# Allegro board BeagleBone_Green_Wireless_V1.0.brd (continued)
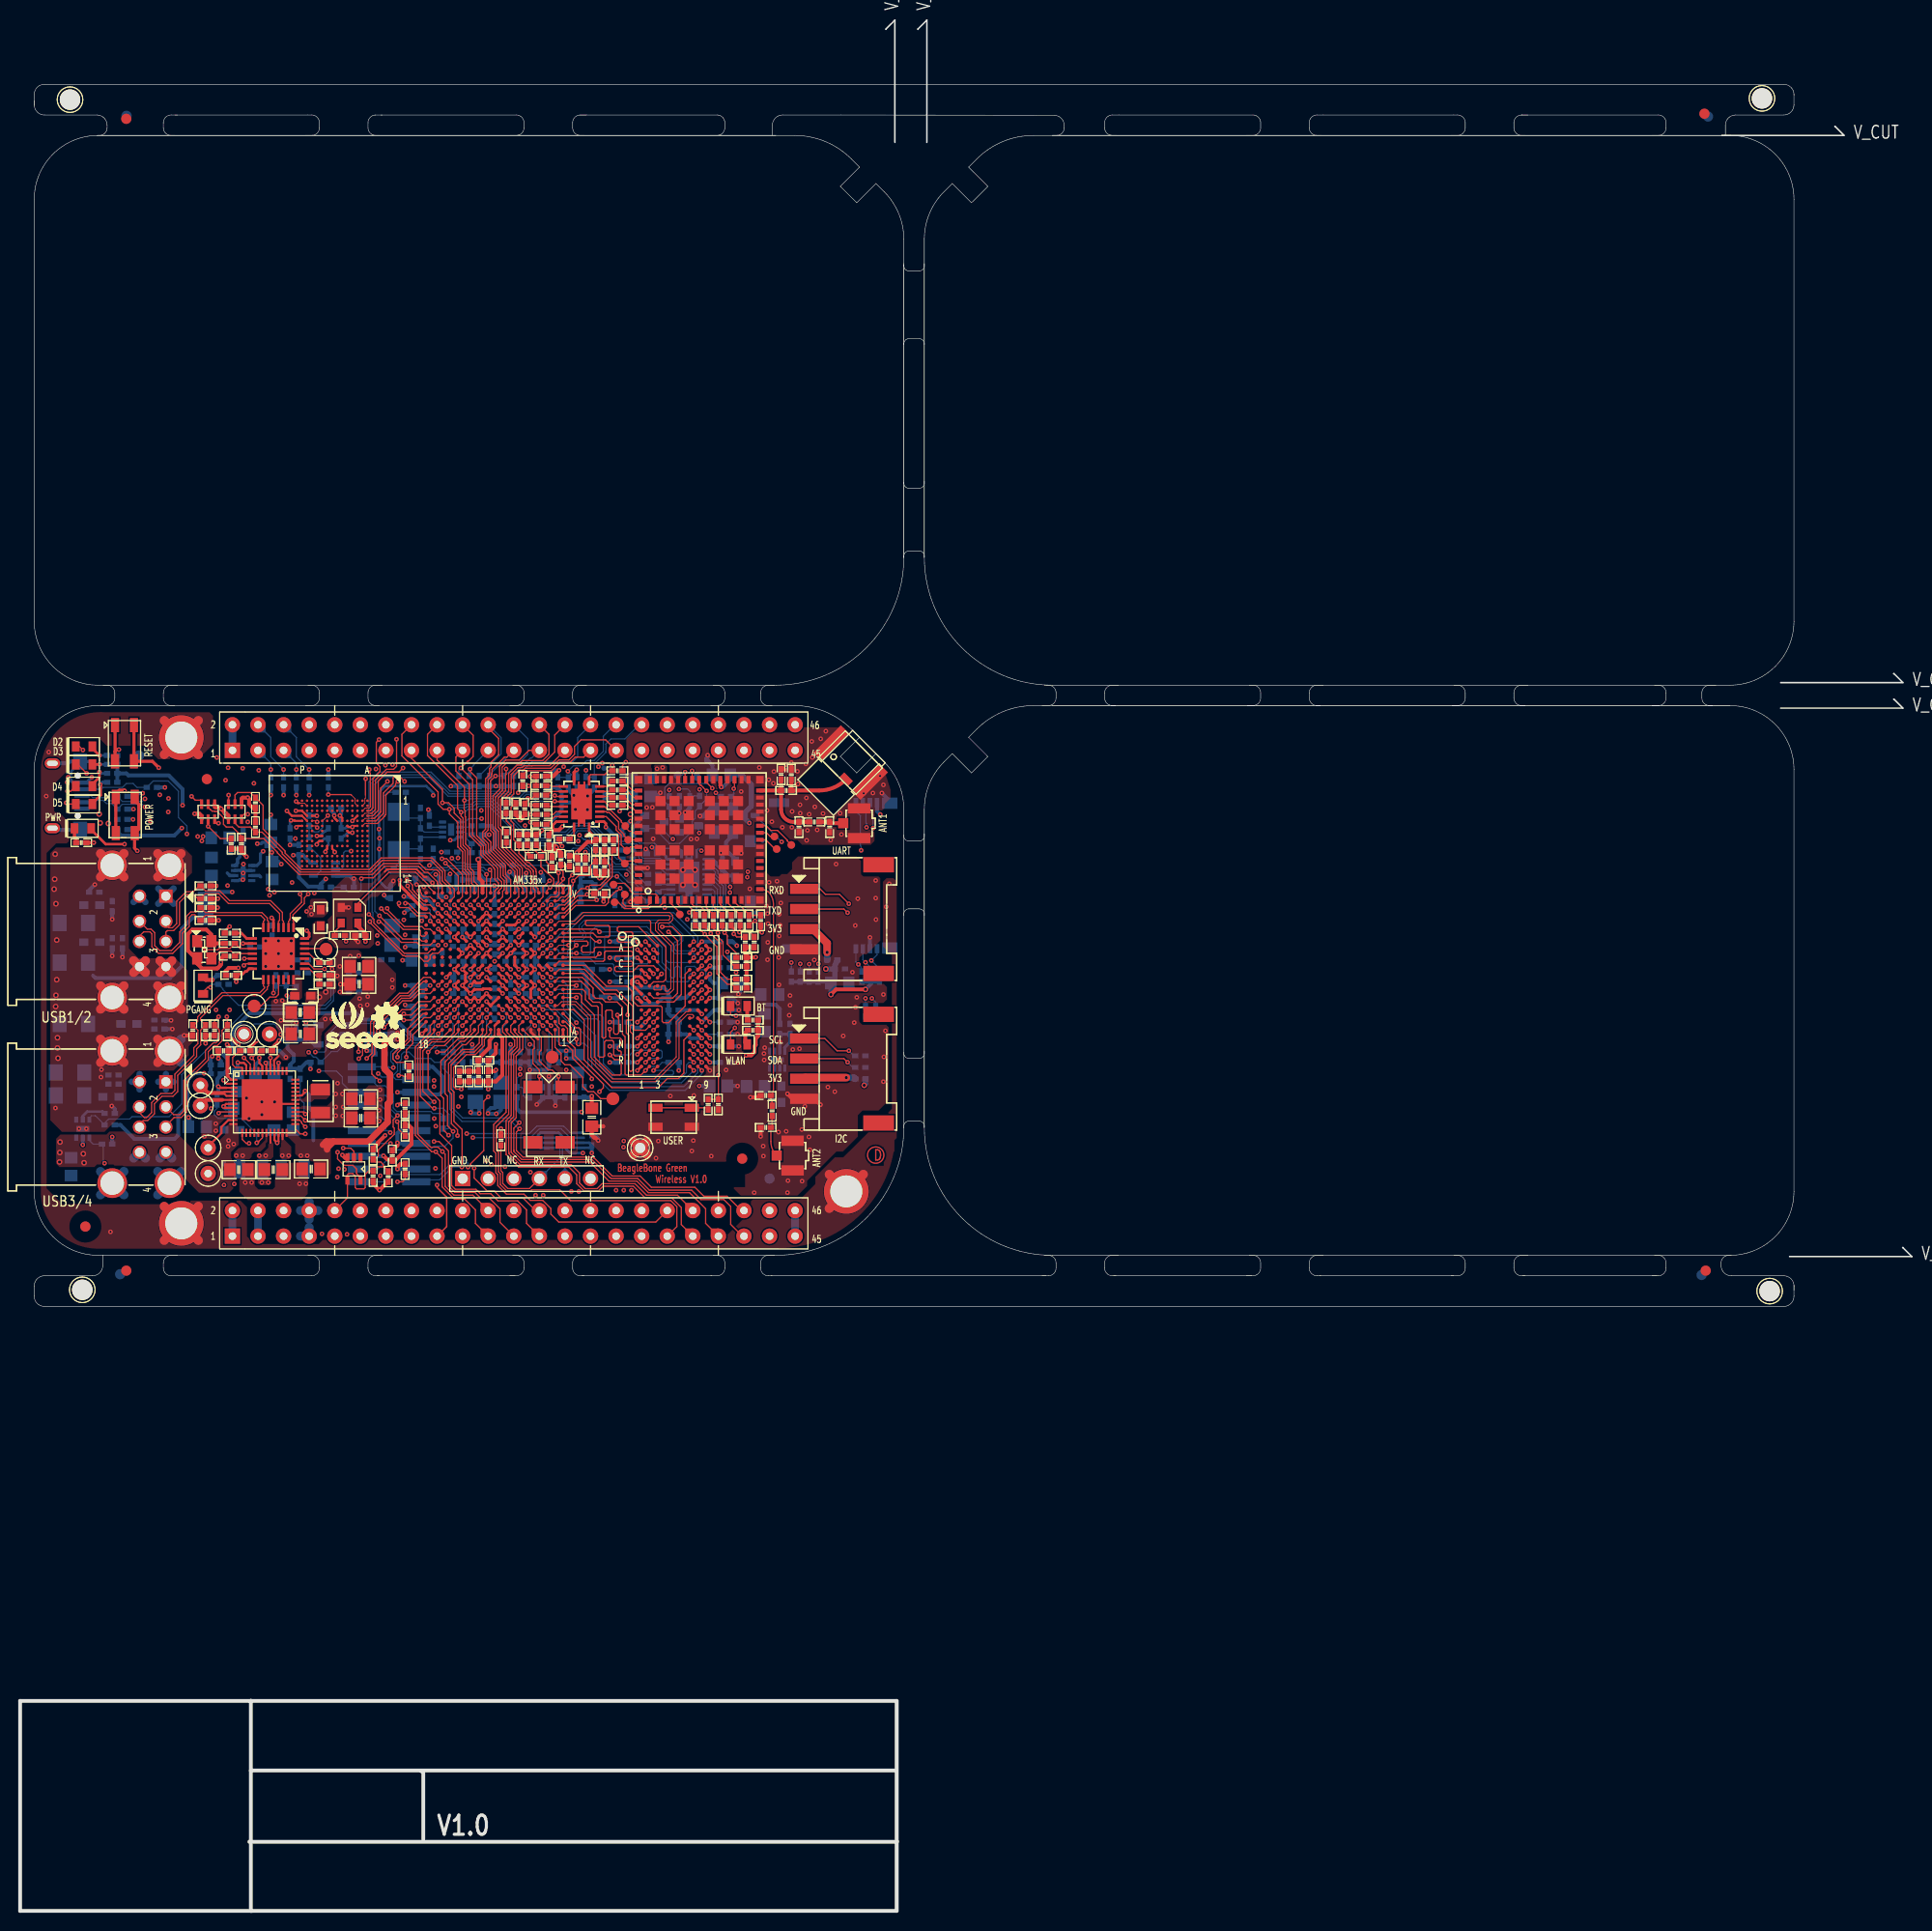
[diagram p0: board, top side]
## Routing (per net, layer and track width the routed paths; a pad name or vN(x,y) marks a point on that pad's centre or on a via; arc(x,y) is an arc through that point) (continued)
  LYR4 w0.133: v1(44.72,99.94) 44.72,100.06 45.21,100.56 45.21,102.97 46.61,104.37 53.59,104.37 54.92,105.69 54.92,106.61 55.17,106.86 v1(55.55,106.86)
  BOTTOM w0.121: R206.1 62.08,102.08 60.43,103.73 58.85,103.73 56.37,106.21
  BOTTOM w0.133: 56.37,106.21 56.16,106.43 55.98,106.43 v1(55.55,106.86)
GPIO1_13: length 50.8
  TOP w0.121: v1(44.72,99.14) U5.R12
  LYR3 w0.121: v1(44.72,99.14) 45.12,99.54 45.12,100.53
  LYR3 w0.133: P8.11 33.44,114.95 33.44,112.02 34.84,110.62 40.26,110.62 40.28,110.6 40.28,110.6 43.36,107.52 43.36,107.52 43.56,107.31 43.56,106.07 44.2,105.44 44.2,101.45 45.12,100.53
  LYR4 w0.121: v1(44.72,99.14) 44.32,99.54 44.32,100.7 44.32,100.71
  LYR4 w0.133: 44.32,100.71 44.32,102.46 46.51,104.65 53.44,104.65 54.68,105.89 54.68,106.71 55.07,107.09 55.21,107.09 55.38,107.26 55.85,107.26 v1(56.29,106.83)
  BOTTOM w0.121: v1(56.29,106.83) 59.13,103.99 61.09,103.99 62.1,102.97 R205.1
GPIO1_14: length 40.8
  TOP w0.121: P8.16 37.91,116.88 37.91,114.74 41.5,111.15 41.5,109.95 42.01,109.44 v1(42.62,109.44) 42.62,108.97 43.46,108.13 43.46,105.71 43.49,105.68 43.49,105.67 43.94,105.22 43.94,103.29 44.32,102.91 U5.V13
  BOTTOM w0.121: v1(42.62,109.44) 43,109.44 43.15,109.59 44.27,109.59 44.36,109.69 44.97,109.69 45.26,109.98 46.71,109.98 50.62,106.08 52.76,106.08 53.1,106.42 ; 54.95,106.87 55.37,107.29 56.46,107.29 59.26,104.5 R204.1
  BOTTOM w0.127: 53.1,106.42 54.5,106.42 54.95,106.87
GPIO1_15: length 39.1
  TOP w0.121: P8.15 38.86,114.5 41.94,111.43 v1(41.94,110.08) 42.54,110.08 43.1,109.52 43.1,109.07 43.74,108.43 43.74,105.77 44.19,105.32 44.19,103.39 44.56,103.02 44.56,101.84 44.71,101.69 44.71,100.73 U5.U13
  BOTTOM w0.121: 56.62,107.54 55.8,107.54 55.8,107.54 55.27,107.54 54.85,107.12 54.85,107.12 54.4,106.67 52.95,106.67 52.6,106.32 50.72,106.32 49.87,107.18 49.87,107.18 46.84,110.21 46.83,110.21 46.81,110.23 45.16,110.23 44.87,109.93 44.26,109.93 44.16,109.84 42.56,109.84 42.31,110.08 v1(41.94,110.08)
  BOTTOM w0.133: 56.62,107.54 58.78,105.38 R203.1
GPIO1_16: length 45.1
  LYR4 w0.133: P9.15 37.72,68.17 36.37,68.17 35.33,69.21 35.33,70.67 36.09,71.43 36.09,71.63 37.06,72.59 37.06,72.6 37.3,72.83 37.3,72.83 38,73.53 38,83.84 37.67,84.17 37.2,84.17 36.82,84.54 36.82,85.08 36.84,85.09 36.84,87.49 36.98,87.64 36.98,90.7 37.74,91.47 37.74,92.05 38.96,93.26 38.96,93.49 39.26,93.79 39.26,97.7 39,97.95 39,98.81 39.41,99.23 39.41,99.7 39.42,99.71 39.42,99.72 40.51,100.81 40.51,102.87 41.22,103.58 41.22,104.57 v1(41.83,105.18)
  BOTTOM w0.121: R160.2 v1(41.83,105.18)
GPIO1_17: length 49.7
  TOP w0.121: P9.23 47.65,68.4 47.65,69.74 46.57,70.83 45.71,70.83 45.16,71.37 43.17,71.37 42.55,72 42.55,75.49 41.61,76.43 v1(41.1,76.43) ; v1(42.23,104.08) 43.52,102.8 U5.V14
  LYR4 w0.127: 40.03,99.52 40.03,99.08 39.75,98.8
  LYR4 w0.133: 39.75,98.8 39.47,98.52 39.47,98.18 39.75,97.9 39.75,92.28 38.38,90.91 38.1,90.91 37.46,90.27 37.46,87.99 37.95,87.5 37.95,84.58 38.6,83.93 38.6,78.93 v1(41.1,76.43) ; v1(42.23,104.08) 42.23,103.7 42.28,103.66 42.28,103.4 41.91,103.04 41.91,102.7 41.61,102.4 41.61,102.09 41.64,102.06 41.64,101.31 41.55,101.23 41.55,101.04 40.03,99.52
GPIO1_28: length 74.3
  TOP w0.121: U5.U18 40.05,100.34 39.16,101.23 39.16,101.27 38.97,101.46 38.97,101.9 38.41,102.46 v1(38.4,102.46)
  LYR4 w0.121: 55.63,112.12 64.75,112.12 v1(65.42,111.45)
  LYR4 w0.127: 55.63,112.12 53.29,112.12 51.92,110.74 51.92,108.69 50.62,107.39 46.79,107.39 ; 37.21,101.27 v1(38.4,102.46)
  LYR4 w0.133: 37.21,101.27 37.21,99.93 37.46,99.68 37.46,99.42 37.43,99.39 37.43,94.81 35.99,93.37 35.99,88.92 35.23,88.16 35.23,87.3 35.78,86.75 35.78,83.53 35.97,83.35 35.97,83.24 36.14,83.07 36.14,83.06 36.24,82.96 36.24,79.56 35.8,79.12 35.71,79.12 35.2,78.61 35.2,77.73 34.01,76.53 34.01,70.76 33.78,70.53 P9.12 ; 46.79,107.39 43.06,107.39 38.68,103.01 38.68,102.74 v1(38.4,102.46)
  BOTTOM w0.121: v1(65.42,111.45) 66.3,111.45 66.5,111.25 R190.1 66.94,110.74 66.96,110.77 R188.2
GPIO1_29: length 34.2
  TOP w0.121: v1(60.15,114.12) 59.82,113.79 R198.1 ; P8.26 52.51,116.88 52.51,114.9 51.89,114.27 49.85,114.27 49.66,114.08 48.33,114.08 47.86,113.61 47.86,112.72 47.89,112.69 47.89,111.32 47.21,110.64 47.21,107.55 47.52,107.24 47.52,105.61 48.95,104.17 48.95,104.15 49.61,103.49 49.61,101.9 49.92,101.59 U5.V6
  LYR3 w0.121: 58.34,114.22 60.05,114.22 v1(60.15,114.12)
  LYR3 w0.133: P8.26 52.86,116.54 57.2,116.54 57.94,115.8 57.94,114.63 58.34,114.22
GPIO2_0: length 17
  BOTTOM w0.121: R161.2 53.21,103.86 54.91,105.56 55.95,105.56 55.97,105.58 56.3,105.58 56.53,105.35 56.53,104.86 58.21,103.18 59.41,103.18 59.69,102.9 59.69,102.89 60.39,102.18 60.93,102.18 61.66,101.46 61.66,100.85 62.2,100.3 R208.1
GPIO2_1: length 41.8
  TOP w0.121: U5.V12 45.12,101.8 44.81,102.1 44.81,103.12 44.44,103.5 44.44,105.42 43.99,105.87 43.99,108.57 43.79,108.77 v1(43.79,109.14) 43.43,109.5 43.43,111.79 40.45,114.77 40.45,116.88 P8.18
  BOTTOM w0.121: v1(43.79,109.14) 44.17,109.14 44.46,109.44 45.25,109.44 45.54,109.73 46.58,109.73 50.48,105.83 52.86,105.83 53.2,106.17 54.61,106.17 54.61,106.17 54.86,106.17 55.23,105.81 55.85,105.81 55.87,105.83 56.4,105.83 58.77,103.46 60.25,103.46 60.88,102.83 60.88,102.67 R207.1
GPIO3_18: length 5.9
  TOP w0.121: v1(41.4,85.32) 42.16,85.32 43.49,86.64 44,86.64 44.71,87.36 44.71,87.93 U5.B12
  BOTTOM w0.121: v1(41.4,85.32) R51.2
GPIO3_19: length 31
  TOP w0.121: v1(43.92,88.73) U5.C13
  LYR4 w0.133: P9.27 52.96,68.17 50.11,68.17 49.98,68.31 49.98,69.97 49.18,70.76 47.07,70.76 45.53,72.3 45.53,73.14 45.9,73.51 45.9,75.85 46.3,76.26 46.3,76.55 46.33,76.57 46.33,77.54 44.96,78.92 44.76,78.92 44.56,78.92 44.32,79.16 44.32,79.98 44.51,80.17 44.51,84.14 43.78,84.87 43.78,86.27 43.25,86.8 43.25,88.07 v1(43.92,88.73)
GPIO3_20: length 5.9
  TOP w0.121: U5.D13 v1(43.92,90.34)
  BOTTOM w0.121: R20.2 43.94,86.08 43.52,86.51 43.52,89.94 v1(43.92,90.34)
GPIO3_21: length 47.7
  TOP w0.121: U5.A14 43.52,87.34 42.13,85.95 41.15,85.95 v1(40.51,85.32) 40.51,81.64 41.68,80.47 41.68,77.19 42.85,76.02 42.85,72.05 43.22,71.68 45.26,71.68 45.69,71.25 46.74,71.25 47.45,70.54 49.4,70.54 50.29,69.64 50.29,68.3 P9.25 ; R167.2 32.26,96.42 v1(32.36,96.32)
  LYR3 w0.133: v1(40.51,85.32) 40.13,85.32 39.37,86.08 37.26,86.08 36.91,86.44 36.91,87.6 36.3,88.21 34.09,88.21 32.51,89.79 32.51,94.21 32.28,94.44 32.28,96.24 v1(32.36,96.32)
HDMI_INT: length 15.2
  TOP w0.121: U5.U16 41.52,100.73 41.52,101.97 41.43,102.06 41.43,102.23 40.49,103.17 40.16,103.17 39.55,103.78 36.22,103.78 35.07,102.63 34.05,102.63 33.96,102.54 v1(33.88,102.54)
  BOTTOM w0.121: R169.1 R170.1 32.13,101.68 32.56,101.24 33.63,101.24 33.86,101.47 33.86,102.51 v1(33.88,102.54)
HDMICLK_DISN: length 10.3
  TOP w0.121: Y4.1 33.54,100.09 36.65,103.2 39.25,103.2 40.01,102.43 40.03,102.43 40.56,101.9 40.56,101.73 41.12,101.17 U5.V17
HUB_AVDD: length 5.7
  TOP w0.254: U23.28 28.53,96.6 28.71,96.78 28.71,97.14 v1(28.47,97.38) ; v1(24.97,98.65) 25.15,98.47 U23.5 ; C186.2 21.59,93.07 22.1,93.07 22.35,93.32 22.48,93.32 22.76,93.6 U23.14 ; v1(22.12,96.1) U23.9
  TOP w0.381: C186.2 v1(21.46,92.3)
  vias: v2(29.72,90.78) v2(30.35,91.29)
HUB_DM1: length 17.7
  TOP w0.114: J8.A2 14.47,97.95 14.76,97.66 15.12,97.66 15.54,98.08 15.54,100.3 16.48,101.24 17.2,101.24 17.78,101.83 D11.1 18.4,101.33 19.82,101.33 20.8,100.36 24.88,100.36 26.04,99.19 26.04,98.41 26.15,98.3 U23.3
HUB_DM2: length 19
  TOP w0.114: U23.6 24.65,98.3 24.54,98.41 24.54,98.64 24.01,99.17 18.4,99.17 D14.2 17.48,99.24 16.94,99.24 16.51,98.81 16.51,97.92 15.85,97.26 15.85,96.22 15.04,95.4 13.86,95.4 13.36,95.9 13.36,97.18 13,97.54 12.63,97.54 J8.B2
HUB_DM3: length 21.9
  TOP w0.114: v1(19.71,88.82) 19.3,88.42 D17.1 19.76,87.53 19.76,87.39 19.78,87.38 19.78,86.56 19.45,86.23 19.16,86.23 18.4,85.47 18.4,84.64 16.26,82.5 16.26,79.48 15.88,79.1 15.25,79.1 J9.A2 ; U23.12 v1(22.26,94.6)
  LYR3 w0.127: v1(22.26,94.6) 22.07,94.41 20.9,94.41 19.96,93.47 19.96,89.08 v1(19.71,88.82)
HUB_DM4: length 23.4
  TOP w0.114: J9.B2 11.85,79.28 12.34,78.79 12.55,78.79 13.06,79.3 13.06,80.29 13.97,81.2 15.06,81.2 15.37,81.51 15.37,83.12 17.25,85 17.25,85.75 17.65,86.16 17.65,87.48 D20.2 17.25,87.99 17.63,88.37 17.63,88.81 20.03,91.21 23.81,91.21 24.26,91.67 24.26,91.78 24.15,91.89 U23.15
HUB_DP1: length 17.7
  TOP w0.114: U23.4 25.65,98.3 25.76,98.41 25.76,99.08 24.76,100.08 20.69,100.08 19.71,101.05 18.4,101.05 D10.1 17.65,100.56 17.42,100.79 17.37,100.79 17.31,100.84 17.31,100.85 17.2,100.97 16.6,100.97 15.82,100.19 15.82,97.97 15.24,97.38 14.64,97.38 14.62,97.36 14.59,97.36 14.47,97.24 J8.A3
HUB_DP2: length 18.9
  TOP w0.114: U23.7 24.15,98.3 24.26,98.41 24.26,98.53 23.89,98.89 18.4,98.89 D13.2 17.35,98.96 17.06,98.96 16.79,98.69 16.79,97.8 16.13,97.14 16.13,96.1 15.15,95.12 13.74,95.12 13.08,95.78 13.08,97.06 12.89,97.26 12.27,97.26 11.85,96.84 J8.B3
HUB_DP3: length 22
  TOP w0.114: v1(22.22,93.93) 22.3,93.93 22.47,94.1 U23.13 ; v1(20.53,88.82) 20.57,88.78 D16.1 20.06,87.47 20.06,86.45 19.56,85.95 19.28,85.95 18.68,85.35 18.68,84.53 16.54,82.38 16.54,79.36 15.99,78.82 15.29,78.82 14.47,78 J9.A3
  LYR3 w0.127: v1(22.22,93.93) 22.05,94.11 21.03,94.11 20.27,93.35 20.27,89.08 v1(20.53,88.82)
HUB_DP4: length 23.5
  TOP w0.114: U23.16 24.65,91.89 24.54,91.78 24.54,91.55 23.92,90.93 20.14,90.93 17.91,88.7 17.91,88.49 D19.2 17.93,87.5 17.93,86.04 17.53,85.63 17.53,84.89 15.65,83.01 15.65,81.39 15.18,80.92 14.09,80.92 13.34,80.17 13.34,79.18 12.66,78.51 12.22,78.51 11.85,78.15 J9.B3
HUB_RESET#: length 4.3
  TOP w0.121: v1(25.15,91.18) U23.17
  BOTTOM w0.121: R227.1 27.3,91.92 R228.2 C199.1 25.4,91.43 v1(25.15,91.18)
HUB_VBUS: length 15.9
  BOTTOM w0.381: 7.24,92.91 7.47,92.68 14.88,92.68 16.05,93.85 16.05,97.59 17.11,98.64 FB8.2
I2C0_SCL: length 29.5
  TOP w0.121: v1(28.32,79.16) 28.11,79.37 U2.28 ; v1(41.52,88.73) U5.C16
  LYR4 w0.133: v1(28.32,79.16) 27.58,79.9 27.58,83.54 29.31,85.27 v1(29.31,85.32)
  BOTTOM w0.121: v1(28.32,79.16) 28.19,79.29 28.19,80.24 27.81,80.62 R3.2 ; v1(29.31,85.32) 30.23,85.32 30.38,85.47 30.38,86.87 31.5,87.99 U7.1 32.4,88.16 33.83,88.16 33.84,88.16 37.14,88.16 39.07,86.23 40.53,86.23 41.12,86.81 41.12,88.34 v1(41.52,88.73)
I2C0_SDA: length 29.7
  TOP w0.121: U5.C17 40.72,88.74 40.12,88.74 38.73,87.35 38.73,86.54 38.73,86.53 38.73,86.49 37.46,85.22 v1(37.46,84.81) ; v1(28.32,78.52) 27.88,78.97 U2.27
  LYR3 w0.133: v1(37.46,84.81) 36.2,84.81 34.75,86.26 29.62,86.26 v1(28.65,85.29)
  LYR4 w0.133: v1(28.65,85.29) 27.28,83.92 27.28,79.57 v1(28.32,78.52)
  BOTTOM w0.121: v1(28.65,85.29) 29.13,84.81 29.39,84.81 29.84,84.35 R4.2 30.91,85.37 31.51,85.37 U7.3
I2C1_SCL: length 25.3
  TOP w0.121: U5.A16 v1(41.52,87.13)
  TOP w0.133: v1(41.4,72.11) 41.4,71.86 42.36,70.9 42.36,67.99 P9.17
  LYR4 w0.133: v1(41.4,72.11) 41.4,72.64 44.94,76.18 45.22,76.18 45.6,76.55 45.6,76.84 45.63,76.87 45.63,77.25 44.67,78.21 44.27,78.21 42.87,79.61 42.87,79.88 42.68,80.07 42.68,80.33 42.67,80.34 42.67,80.55 42.63,80.59 42.63,83.79 42.32,84.1 42.32,85.78 41.52,86.58 v1(41.52,87.13)
I2C1_SDA: length 23.5
  TOP w0.121: U5.B16 v1(41.52,87.93)
  LYR4 w0.133: v1(41.52,87.93) 41.11,87.53 41.11,86.6 42.06,85.65 42.06,83.9 42.39,83.57 42.39,80.39 42.43,80.35 42.43,80.25 42.45,80.23 42.45,79.97 42.63,79.79 42.63,79.52 44.17,77.98 44.57,77.98 45.39,77.15 45.39,76.96 45.36,76.94 45.36,76.65 45.13,76.41 44.84,76.41 40.73,72.3 40.73,70.25 P9.18
I2C2_SCL: length 85.7
  TOP w0.121: U5.D17 40.72,89.54 39.9,89.54 38.86,88.49 v1(38.1,88.49) ; v1(82.3,85.45) 81.13,85.45 79.91,86.67 J4.1
  LYR3 w0.133: v1(41.12,78.71) 41.51,78.71 41.64,78.58 45.64,78.58 48.04,76.18 50.02,76.18 50.03,76.18 54.77,76.18 57.08,78.49 69.69,78.49 70.61,79.41 79.64,79.41 81.53,81.31 81.53,84.68 v1(82.3,85.45)
  LYR4 w0.133: P9.19 42.8,68.17 40.82,68.17 40.02,68.97 40.02,74.26 40.67,74.9 42.28,74.9 42.54,75.17 42.54,75.92 40.87,77.6 40.87,78.46 v1(41.12,78.71) 39.07,80.77 39.07,85.9 38.5,86.47 38.5,88.09 v1(38.1,88.49)
  BOTTOM w0.121: v1(82.3,85.45) 82.8,84.94 C202.1
I2C2_SDA: length 83.5
  TOP w0.121: U5.D18 39.8,89.94 38.86,89 38.23,89 v1(38.1,89.13) ; v1(82.17,84.3) 81.8,84.67 J4.2
  LYR3 w0.133: v1(41.27,77.95) 45.94,77.95 47.95,75.95 49.93,75.95 49.93,75.94 54.87,75.94 57.13,78.21 69.74,78.21 70.71,79.17 79.83,79.17 82.75,82.09 82.75,83.72 v1(82.17,84.3)
  LYR4 w0.133: P9.20 42.99,68.61 41.01,68.61 40.45,69.17 40.45,74.15 40.94,74.65 42.36,74.65 42.78,75.07 42.78,76.12 41.27,77.62 v1(41.27,77.95) 41.55,78.22 41.55,78.86 41.19,79.22 41.06,79.22 39.34,80.93 39.34,86.08 38.73,86.69 38.73,88.49 v1(38.1,89.13)
  BOTTOM w0.121: C203.1 82.68,83.79 v1(82.17,84.3)
JTAG_EMU0: length 22.5
  TOP w0.121: R23.2 37.57,77.66 37.57,78.28 v1(37.44,78.41) ; v1(43.12,88.73) U5.C14
  LYR3 w0.133: v1(37.44,78.41) 38.3,78.41 40.77,80.87 v1(43.81,80.87)
  LYR4 w0.133: v1(43.81,80.87) 44.27,81.33 44.27,83.9 43.46,84.71 43.46,86.21 42.99,86.68 42.99,88.24 43.12,88.36 v1(43.12,88.73)
  BOTTOM w0.121: v1(37.44,78.41) 35.8,80.05 P2.13
JTAG_EMU1: length 15.3
  TOP w0.121: v1(37.46,80.05) 37.66,80.24 R24.2 ; v1(41.12,80.37) 41.05,80.37 39.99,81.43 39.99,85.43 40.89,86.33 42.16,86.33 43.12,87.29 43.12,87.94 U5.B14
  BOTTOM w0.121: v1(41.12,80.37) 40.89,80.37 40.58,80.05 P2.14 v1(37.46,80.05)
JTAG_TCK: length 24.9
  TOP w0.121: v1(42.55,77.06) 42.06,77.55 42.06,80.72 41.78,81 41.78,84.43 43.75,86.39 44.13,86.39 44.8,87.07 44.8,87.07 45.12,87.38 U5.A12
  LYR3 w0.133: v1(42.55,77.06) 42.1,77.51 36.89,77.51 36.75,77.37 v1(36.75,77.32)
  BOTTOM w0.121: 36.28,77.51 36.28,78.45 35.86,78.87 35.41,78.87 35.32,78.78 P2.11 ; 36.28,77.51 36.56,77.51 v1(36.75,77.32) ; 36.28,77.51 P2.9
JTAG_TDI: length 24
  TOP w0.121: v1(43,77.44) 42.44,77.99 42.44,80.94 42.2,81.19 42.2,84.34 43.91,86.05 44.27,86.05 45.52,87.29 45.52,87.94 U5.B11
  BOTTOM w0.121: P2.3 35.52,73.7 37.42,75.6 40.73,75.6 41.1,75.97 42.19,75.97 43,76.78 v1(43,77.44)
JTAG_TDO: length 23.1
  TOP w0.121: v1(43.43,77.01) 43.43,77.6 42.82,78.21 42.82,81.17 42.55,81.44 42.55,84.18 43.94,85.57 43.94,85.57 44.96,85.57 45.59,86.21 45.59,86.84 45.92,87.17 U5.A11
  LYR3 w0.133: v1(43.43,77.01) 43.08,76.66 42.04,76.66 41.71,76.99 37.34,76.99 36.78,76.43 v1(36.78,76.24)
  BOTTOM w0.121: P2.7 v1(36.78,76.24)
JTAG_TMS: length 28.5
  TOP w0.121: v1(44.48,73.89) 44.74,74.16 44.74,74.23 46.04,75.53 46.04,80.43 v1(46.48,80.87) ; U5.C11 v1(45.52,88.73)
  LYR4 w0.133: v1(45.52,88.73) 45.52,87 45.78,86.73 45.78,81.57 v1(46.48,80.87)
  BOTTOM w0.121: v1(44.48,73.89) 44.48,74.27 44.22,74.52 43.05,74.52 41.68,73.15 36.98,73.15 36.26,72.43 P2.1
JTAG_TRSTN: length 25.5
  TOP w0.121: U5.B10 46.32,87.94 46.32,87.19 45.85,86.72 45.85,86.08 45.09,85.32 44.07,85.32 42.8,84.05 42.8,81.64 43.08,81.36 43.08,78.44 43.89,77.62 43.89,74.42 43.87,74.39 v1(43.87,73.89) ; v1(37.46,72.43) 37.97,72.43 38.23,72.69 R25.1
  BOTTOM w0.121: v1(43.87,73.89) 42.93,73.89 41.66,72.62 40.51,72.62 40.32,72.43 P2.2 v1(37.46,72.43)
LCD_DATA0: length 34.9
  TOP w0.121: v1(59.59,101.6) 59.32,101.33 59.19,101.33 58.42,100.56 58.42,100.18 58.12,99.87 55.17,99.87 54.03,98.74 U5.R1
  LYR3 w0.133: P8.45 75.72,114.05 73.23,114.05 71.76,112.57 68.04,112.57 65.5,110.03 64.49,110.03 62.66,108.2 62.66,107.09 61.14,105.56 61.14,102.77 59.97,101.6 v1(59.59,101.6)
  BOTTOM w0.121: R95.1 59.94,101.24 v1(59.59,101.6) 58.55,101.6 58.19,101.96 R70.2
LCD_DATA1: length 36.8
  TOP w0.121: U5.R2 53.12,98.75 53.5,99.14 54.08,99.14 54.08,99.14 54.31,99.37 54.31,99.37 55.32,100.38 57.2,100.38 v1(57.25,100.43)
  LYR3 w0.121: 71.7,112.88 73.13,114.3
  LYR3 w0.133: 71.7,112.88 68.02,112.88 65.53,110.39 64.51,110.39 62.28,108.16 62.28,107.11 60.71,105.54 60.71,102.88 59.83,102.01 59.33,102.01 58.01,100.69 57.66,100.69 57.4,100.43 v1(57.25,100.43) ; P8.46 75.57,116.43 75.57,115.08 74.78,114.3 73.13,114.3
  BOTTOM w0.121: v1(57.25,100.43) 57.4,100.43 R69.2 58.29,101.07 58.42,100.94 R94.1
LCD_DATA2: length 70.1
  TOP w0.121: v1(69.34,83.03) R93.1 R75.1 ; v1(52.72,99.14) U5.R3
  LYR3 w0.121: 57.89,100.94 57.15,100.94 56.34,100.13
  LYR3 w0.133: 57.89,100.94 59.23,102.29 59.46,102.29 60.12,102.95 v1(60.2,102.95) 60.2,105.48 61.98,107.27 61.98,108.19 64.49,110.69 65.5,110.69 67.96,113.16 71.6,113.16 73.74,115.29 P8.43 ; v1(70.48,101.17) 72.57,99.08 72.57,91.72 72.42,91.57 72.42,86.23 70.84,84.66 70.84,83.62 70.26,83.03 v1(69.34,83.03) ; v1(52.72,99.14) 52.83,99.14 52.98,99.28 53.16,99.28 54,100.13 56.34,100.13
  LYR4 w0.133: v1(60.2,102.95) 61.98,101.17 v1(70.48,101.17)
  BOTTOM w0.121: v1(52.72,99.14) 52.33,99.52 52.33,100.11 52.57,100.36 53.73,100.36 54.34,100.97 R68.2
LCD_DATA3: length 39.9
  TOP w0.121: v1(51.92,99.14) U5.R4
  LYR3 w0.121: 56.24,100.41 56.27,100.44 56.33,100.44 57.08,101.19 57.78,101.19
  LYR3 w0.133: 57.78,101.19 59.14,102.55 59.14,102.65 v1(59.26,102.77) 59.26,104.88 61.75,107.37 61.75,109.82 63.74,111.81 64.26,111.81 64.52,112.06 66.54,112.06 67.94,113.46 71.4,113.46 73.1,115.16 73.1,116.51 P8.44 ; v1(51.92,99.14) 52.32,99.54 53.01,99.54 53.87,100.41 56.24,100.41
  BOTTOM w0.121: R92.1 60.96,101.07 v1(59.26,102.77) 58.12,102.77 57.15,103.73 R67.2
LCD_DATA4: length 32.6
  TOP w0.121: R66.2 58.78,105.23 58.78,103.98 58.79,103.96 58.79,102.74 57.58,101.52 57.48,101.52 R91.1 56.39,101.07 v1(56.3,100.98) 56.16,100.84 55.37,100.84 54.07,99.54 U5.T1
  LYR3 w0.133: P8.41 70.31,113.72 67.86,113.72 66.59,112.45 64.47,112.45 64.21,112.19 63.78,112.19 61.47,109.87 61.47,107.52 57,103.05 57,101.68 v1(56.3,100.98)
LCD_DATA5: length 34.8
  TOP w0.121: U5.T2 53.51,99.93 54.09,99.93 55.7,101.55 56.26,101.55 v1(56.34,101.63) 56.6,101.89 57.6,101.89 58.55,102.84 58.55,103.86 58.17,104.24 R90.1 R65.2
  LYR3 w0.133: v1(56.34,101.63) 56.34,102.92 61.09,107.67 61.09,110.07 63.44,112.42 64.11,112.42 64.41,112.73 65,112.73 66.01,113.74 67.44,113.74 67.69,114 69.4,114 70.61,115.21 70.61,116.56 P8.42
LCD_DATA6: length 27.4
  TOP w0.121: v1(52.73,99.95) U5.T3
  LYR3 w0.133: P8.39 68.43,114.38 67.61,114.38 67.23,114 65.79,114 65.28,113.49 64.77,113.49 63.98,112.7 63.38,112.7 59.99,109.31 59.99,107.04 56,103.04 56,102.45 54.41,100.86 53.64,100.86 v1(52.73,99.95)
  BOTTOM w0.121: v1(52.73,99.95) 52.73,99.92 52.85,99.8 R89.1 53.52,99.8 53.92,100.2 R64.2
LCD_DATA7: length 31.8
  TOP w0.121: v1(51.92,99.94) U5.T4
  LYR3 w0.133: P8.40 67.79,116.28 67.79,114.93 67.14,114.27 65.61,114.27 65.06,113.73 64.55,113.73 63.83,113 63.36,113 60.33,109.98 59.69,109.98 59.13,109.42 59.13,106.58 55.63,103.07 55.63,102.45 54.37,101.19 53.17,101.19 v1(51.92,99.94)
  BOTTOM w0.121: R63.2 54.48,101.73 53.87,101.12 53.52,101.12 R88.1 52.68,100.94 51.92,100.18 v1(51.92,99.94)
LCD_DATA8: length 26.5
  TOP w0.121: R62.2 R87.1 57.02,104.24 56.64,103.86 56.64,102.97 56.52,102.84 55.45,102.84 v1(54.91,102.31) 54.91,101.88 54.74,101.7 54.74,100.97 54.11,100.34 U5.U1
  LYR3 w0.133: P8.37 66.13,114.61 65.57,114.61 64.97,114.02 63.2,114.02 58.88,109.7 58.88,108.51 58.88,108.5 58.88,108.17 58.88,108.16 58.88,108.14 58.89,108.12 58.89,107.79 58.88,107.77 58.88,106.73 55.31,103.17 55.31,102.71 v1(54.91,102.31)
LCD_DATA9: length 26.9
  TOP w0.121: U5.U2 53.36,100.34 53.75,100.73 54.12,100.73 54.48,101.09 54.48,102.54 v1(54.84,102.9) 54.99,103.05 54.99,103.1 R61.2 R86.1
  LYR3 w0.133: v1(54.84,102.9) 54.84,103.28 54.61,103.51 54.61,106.98 55.42,107.8 56.29,107.8 58.39,109.91 58.75,109.91 63.12,114.27 64.6,114.27 65.41,115.08 65.41,116.43 P8.38
LCD_DATA10: length 29.1
  TOP w0.121: 53.94,102.53 v1(53.91,102.53) 53.91,102.32 53.77,102.18 53.76,102.18 53.52,101.94 53.52,101.94 53.51,101.93 53.51,100.97 53.28,100.74 52.72,100.74 U5.U3
  TOP w0.133: R60.2 53.82,103.78 R85.1 53.7,103.46 53.91,103.25 v1(53.91,102.53)
  LYR3 w0.133: P8.36 62.92,116.48 62.92,115.13 59.67,111.89 54.87,111.89 54.11,111.13 54.11,108.79 52.84,107.52 52.84,103.17 53.48,102.53 v1(53.91,102.53)
LCD_DATA11: length 25.2
  TOP w0.121: v1(52.58,102.34) 51.92,101.68 51.92,100.74 U5.U4
  LYR3 w0.133: v1(56.19,113.31) 55.61,112.73 54.89,112.73 53.54,111.38 53.54,108.99 52.31,107.75 52.31,102.61 v1(52.58,102.34)
  BOTTOM w0.121: v1(56.19,113.31) 56.21,113.29 56.21,113.12 56.18,113.1 R59.2 56.68,112.65 56.71,112.62 R84.1 57.02,113.95 58.16,115.09 58.16,115.16 58.17,115.16 58.17,115.93 58.67,116.43 60.07,116.43 61.47,117.83 P8.34
LCD_DATA12: length 25.9
  TOP w0.121: U5.V2 53.27,101.29 53.27,102.03 53.28,102.04 53.28,102.05 53.46,102.23 v1(53.46,103.12)
  TOP w0.133: 51.26,105.89 51.26,105.83 51.65,105.44 51.71,105.44 51.92,105.23 52.13,105.23 52.26,105.1 52.26,104.2 R83.1 52.93,103.66 v1(53.46,103.12)
  LYR3 w0.133: v1(53.46,103.12) 54.36,104.01 54.36,110.87 55.02,111.53 59.92,111.53 63.17,114.78 63.75,114.78 P8.35
LCD_DATA13: length 26.3
  TOP w0.121: 52.2,103.25 52.33,103.12 52.38,103.12 52.98,102.51 52.98,102.03 v1(52.63,101.68) 52.32,101.36 U5.V3
  TOP w0.133: 52.2,103.25 52.11,103.34 52.11,103.34 51.71,103.74 R82.1 51.71,104.75 51.11,105.35 50.91,105.35 50.82,105.44 50.76,105.44 50.37,105.83 50.37,105.89
  LYR3 w0.133: P8.33 61.05,114.61 61.05,114.45 58.89,112.29 54.94,112.29 53.87,111.23 53.87,108.92 52.6,107.65 52.6,103.07 52.98,102.69 52.98,102.03 v1(52.63,101.68)
LCD_DATA14: length 25.9
  TOP w0.121: 49.53,105.89 49.01,106.41 49.01,108.01 48.75,108.27 48.75,109.64 R81.1 49.23,110.1 48.77,110.55 48.77,110.7 49.02,110.96 49.02,112.77 49.58,113.33 49.97,113.33 50.14,113.51 52.67,113.51 53.5,114.34 54.5,114.34 55.05,114.9 55.05,115.68 55.7,116.33 58.14,116.33 P8.31 ; U5.V4 51.43,101.22 51.43,101.55 51.26,101.73 51.26,103.23 51.21,103.27 51.21,103.48 50.52,104.17
  TOP w0.133: 50.52,104.17 50.4,104.17 50.3,104.27 50.29,104.27 50.15,104.4 50.15,104.42 49.53,105.04 49.53,105.89
LCD_DATA15: length 28.4
  TOP w0.121: v1(51.12,99.94) U5.T5
  LYR3 w0.121: 49.05,110.1 49.05,110.11 49.85,110.91 49.85,111.93 50.22,112.29 51.26,112.29 51.54,112.57 53.75,112.57 v1(54.39,113.22)
  LYR3 w0.133: v1(51.12,99.94) 51.12,101.28 50.75,101.65 50.75,106.22 48.92,108.05 48.92,109.97 49.05,110.1
  BOTTOM w0.121: P8.32 59.05,117.83 57.91,116.69 57.91,115.19 57,114.27 56.26,114.27 55.75,113.77 54.94,113.77 v1(54.39,113.22) 54.74,112.87 R80.1 R55.2
LCD_DE: length 10.2
  BOTTOM w0.121: R48.2 49.91,113.26 50.85,114.2 54.91,114.2 55.37,114.66 55.37,116.56 56.64,117.83
LCD_HSYNC: length 7.8
  TOP w0.121: 56.64,115.29 55.97,114.62 55.12,114.62 54.6,114.09 53.61,114.09 52.78,113.26 50.4,113.26 50.36,113.23 50.3,113.23 49.91,112.84 R47.2
LCD_PCLK: length 15
  TOP w0.121: P8.28 53.09,116.81 53.09,115.12 51.98,114.02 50.73,114.02 50.73,114.03 49.96,114.03 49.76,113.83 49.34,113.83 48.51,113 48.51,111.2 47.71,110.4 47.71,107.8 48.29,107.23 48.29,107.16
LCD_VSYNC: length 9.4
  TOP w0.121: P8.27 52.58,113.77 50.84,113.77 50.82,113.76 50.04,113.76 49.86,113.58 49.44,113.58 48.76,112.9 48.76,111.1 48.29,110.62 48.29,110.59 48.26,110.56 R46.2
LCDDE: length 14.7
  TOP w0.121: v1(50.32,99.14) U5.R6
  LYR3 w0.121: 50.72,100.3 50.72,99.54 v1(50.32,99.14)
  LYR3 w0.133: 50.72,100.3 50.72,100.69 49.78,101.62 49.78,106.71 48.64,107.85 48.64,110.27 v1(49.45,111.08)
  BOTTOM w0.121: v1(49.45,111.08) 49.91,111.54 R48.1
LCDPCLK: length 6.1
  TOP w0.121: U5.V5 50.72,103.15 50.69,103.17 50.69,103.26 50.44,103.51 50.31,103.51 49.44,104.38 48.29,105.54 R45.1
LCDVHYNC: length 15.5
  TOP w0.121: v1(51.12,99.14) U5.R5 ; R47.1 v1(50.5,111.76)
  LYR3 w0.121: v1(51.12,99.14) 51.52,99.54 51.52,100.1 51.51,100.11 51.51,100.46 ; v1(50.5,111.76) 50.5,111.23 49.28,110.01 49.28,110.01 49.16,109.88 49.16,108.2
  LYR3 w0.133: 51.51,100.46 51.38,100.59 51.38,101.39 51.01,101.76 51.01,102.06 50.98,102.09 50.98,106.37 49.16,108.2
LCDVSYNC: length 10.1
  TOP w0.121: U5.U5 51.12,100.74 51.12,101.41 50.96,101.56 50.96,103.25 50.94,103.27 50.94,103.36 50.54,103.76 50.45,103.76 50.2,104.01 50.18,104.01 49.9,104.3 49.9,104.31 48.76,105.45 48.76,107.79 48.29,108.27 R46.1
LDO_PGOOD: length 35.5
  TOP w0.121: v1(22.22,84.75) 22.86,84.12 U2.46 ; U5.B5 v1(51.12,87.93)
  LYR3 w0.133: v1(22.22,84.75) 22.92,85.45 28.02,85.45 29.13,86.56 34.95,86.56 36.3,85.22 38.68,85.22 39.57,84.33 47.75,84.33 48.74,85.32 50.8,85.32 51.12,85.64 v1(51.12,87.93)
LEDAA: length 1.9
  TOP w0.254: D2.2 7.18,115.48 v1(7.87,114.78)
  BOTTOM w0.254: v1(7.87,114.78) R72.2
LEDAC: length 18.1
  TOP w0.121: D2.1 5.89,115.67 v1(6.24,115.33) ; v1(20.7,110.85) 20.7,110.56 20.69,110.54 Q1.6
  LYR3 w0.133: v1(6.24,115.33) 7.97,115.33 10.19,113.11 17.55,113.11 19.81,110.85 v1(20.7,110.85)
LEDBA: length 1.5
  TOP w0.254: v1(7.89,113.89) D3.2
  BOTTOM w0.254: R73.2 v1(7.89,113.89)
LEDBC: length 20.1
  TOP w0.121: D3.1 5.71,113.89 v1(6.6,113) ; Q1.3 21.99,108.7 22.22,108.94 v1(22.61,108.94)
  LYR3 w0.133: v1(6.6,113) 6.63,113.03 7.4,113.03 7.71,112.73 17.3,112.73 21.08,108.94 v1(22.61,108.94)
LEDCA: length 2.5
  TOP w0.254: v1(7.87,113.13) 7.87,112.62 7.18,111.93 D4.2
  BOTTOM w0.254: v1(7.87,113.13) 8,113 R74.2
LEDCC: length 16.1
  TOP w0.121: D4.1 5.02,111.23 v1(4.7,111.23) ; Q2.6 18.02,110.23 17.91,110.34 17.4,110.34 v1(17.02,110.72)
  LYR3 w0.133: v1(4.7,111.23) 8.13,111.23 9.35,112.45 15.29,112.45 v1(17.02,110.72)
